# Altium PCB Battery Protector.PcbDoc (part 2 of 3)
Units mm, origin at the board's own origin, x right, y up, seen from the top; angles counter-clockwise.
Board outline 80 x 160 mm, 2 copper layers (L1 - Primary, L2 - Secondary), stack 1.65 mm thick; 434 components, 253 nets, 1087 pads, 125 vias.
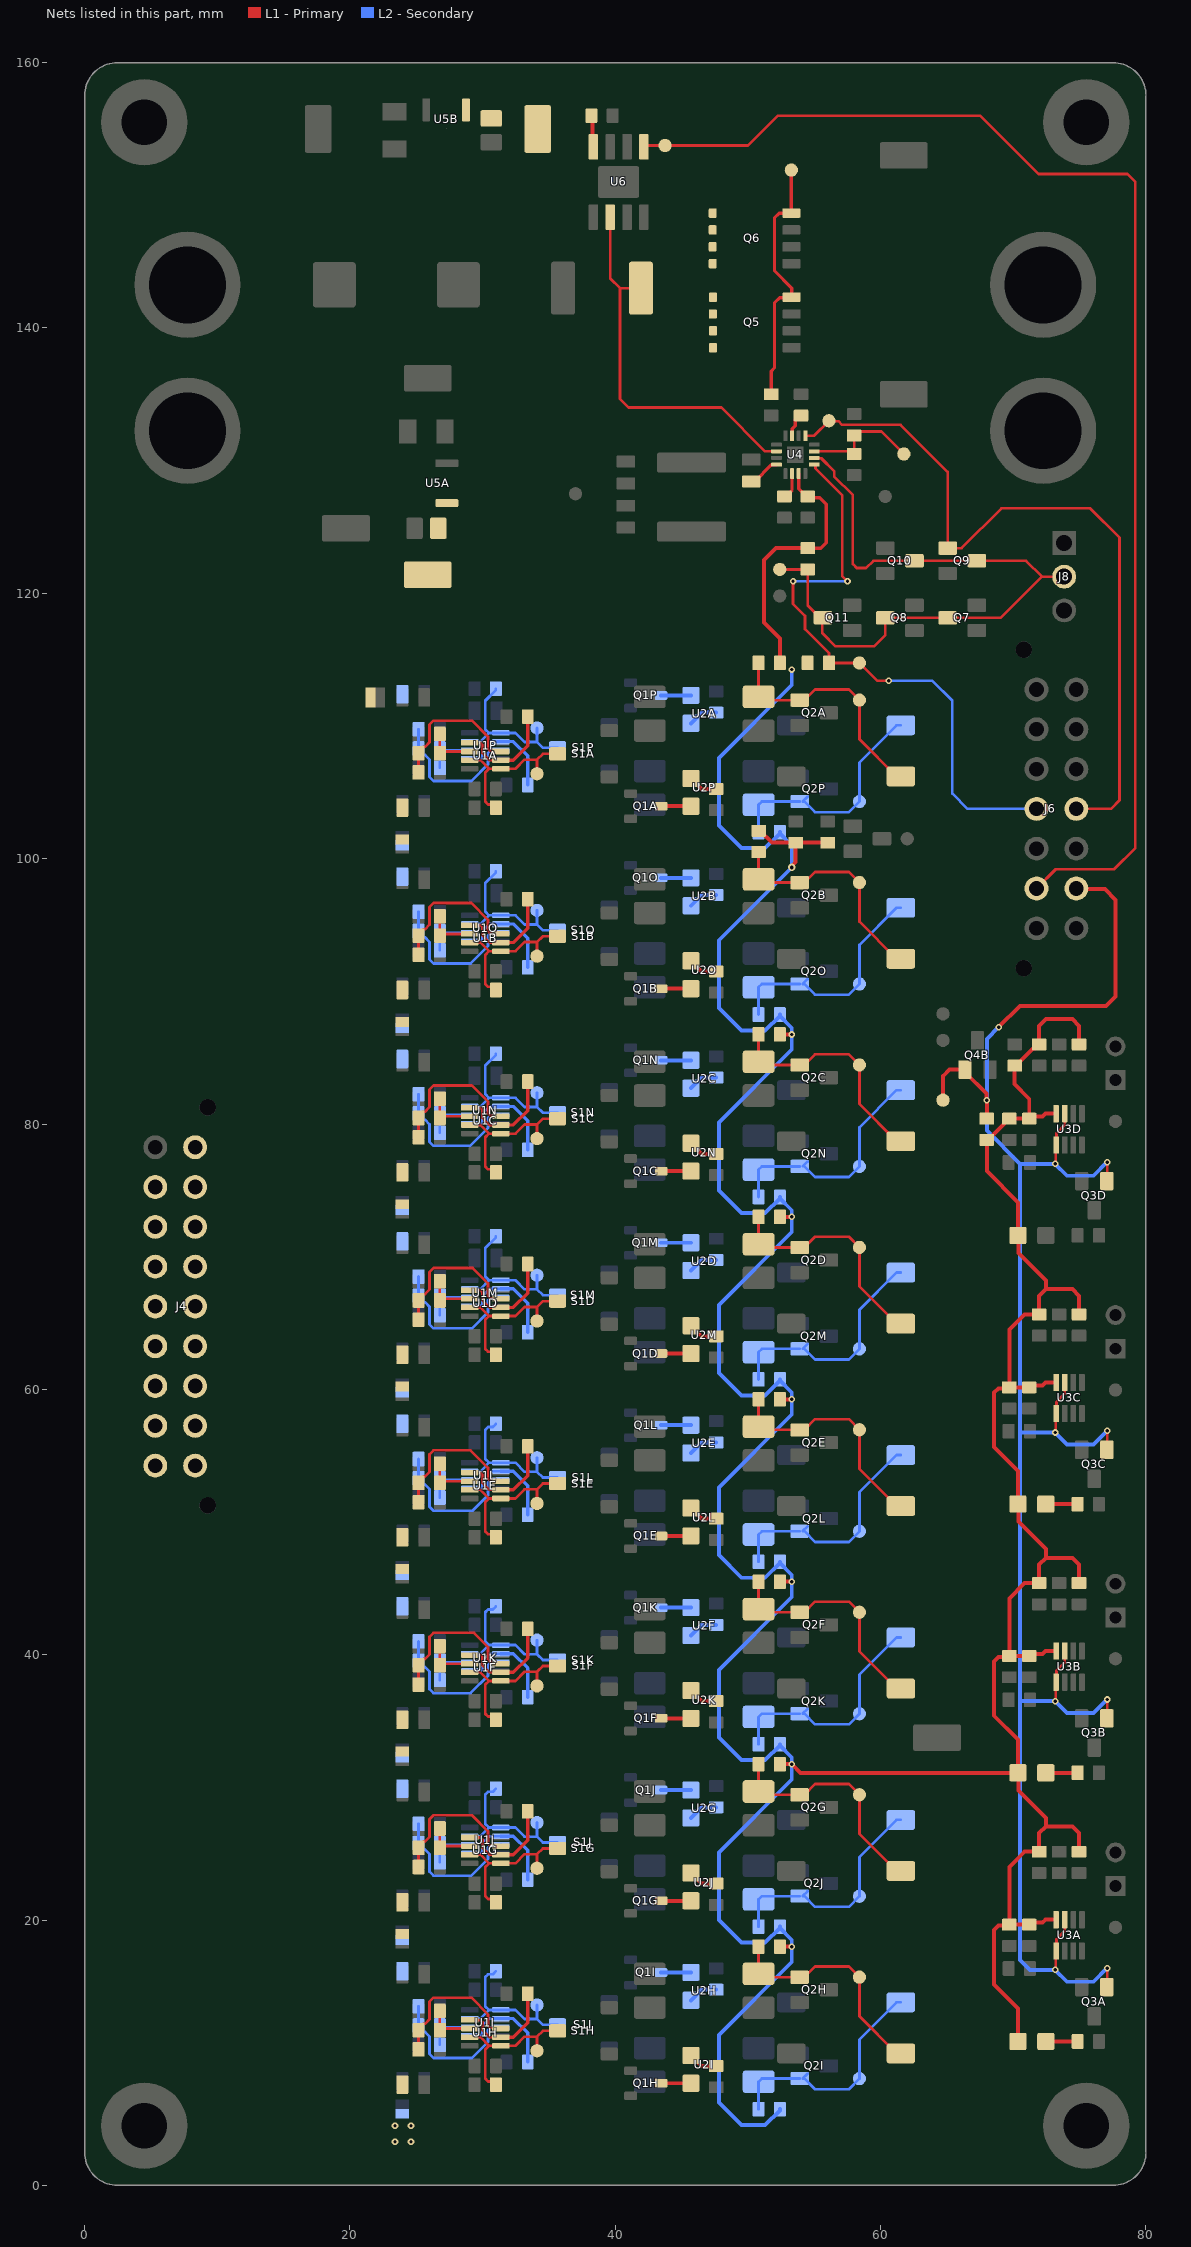
[diagram p2: the nets of this part, all layers, seen from the top]

## Footprints (in the part's own frame and the unit in brackets; to place one, negate y for a bottom-side part, rotate by r counter-clockwise, add the part's x,y. Pads: shape width x height; smd on the part's side, far side on the other; paste and mask are expansions set on the pad) (continued)
SOT89 [mm]
  rrect25% 0.58x1.73 smd mask+0.05: 1(-1.5,-1.635) 3(1.5,-1.635)
  round 0.025 smd mask+0.05: 2(0,-0.235)
  L1 - Primary region: -0.966,-1 -0.38,-1 -0.38,-2.5 0.38,-2.5 0.38,-1 0.966,-1 0.966,2.03 -0.966,2.03
  silkscreen extent -2.35,-1.9 2.25,1.5, body extent -2.25,-2.05 2.25,2.08, height 1.5
TDD01_SPDT [mm]
  rrect25% 1.3x1 smd mask+0.05: 1(-1.95,1.75) 2(-1.95,-1.75) 3(1.95,0)
  silkscreen extent -1.9,-3 1.2,3, body extent -2.1,-3 2.1,3, height 2.3
TESTPOINT_CIRCLE_1MM [mm]
  round 1 smd: 1(0,0)
XT90 [mm]
  round 8 hole 5.8: 1(-5.5,0) 2(5.5,0)
  silkscreen extent -10.7,-5.45 10.7,5.42, body extent -10.7,-5.5 10.7,5.5, height 20.7

## Part data
C1A C1B C1C C1D C1E C1F C1G C1H C1I C1J C1K C1L C1M C1N C1O C1P: "CAP CER 0.01uF 100V X7R 0603", Dielectric=X7R, Manufacturer 1="Murata Electronics", Manufacturer Part Number 1=GCM188R72A103KA37J, Supplier Part Number 1=490-8028-1-ND, Voltage Rating=100V, Supplier 1=Digi-Key
C2A C2B C2C C2D C2E C2F C2G C2H C2I C2J C2K C2L C3A C3B C3C C3D C7: "CAP CER 0.1UF 50V X7R 0603", Dielectric=X7R, Manufacturer 1=Yageo, Manufacturer Part Number 1=CC0603KRX7R9BB104, Package/Footprint=0603, Supplier Part Number 1=311-1344-1-ND, Voltage Rating=50V, Mounting Type=SMD, Supplier 1=Digi-Key
C2M C2N C2O C2P: "CAP CER 0.1UF 100V X7R 0805"
C4A C4B: "CAP CER 1UF 100V X7R 1206", Package=1206, Supplier Part Number 1=490-16468-1-ND, Voltage Rating=100V, Mounting Type=SMD, Supplier 1=Digi-Key
C5A C5B: "CAP CER 10UF 16V X5R 0805", Dielectric=X5R, Manufacturer 1=Yageo, Manufacturer Part Number 1=CC0805KKX5R7BB106, Package/Footprint=0805, Supplier Part Number 1=311-1865-1-ND, Voltage Rating=16V, Mounting Type=SMD, Supplier 1=Digi-Key
C8: "CAP CER 10UF 100V X7S 2220", Manufacturer 1="TDK Corporation", Manufacturer Part Number 1=CGA9N3X7S2A106K230KE, Package=2220, Supplier Part Number 1=445-8768-1-ND, Voltage Rating=100V, Mounting Type=SMD, Supplier 1=Digi-Key
C9: "CAP CER 1UF 25V X5R 0603", Dielectric=X5R, Manufacturer 1=Samsung, Manufacturer Part Number 1=CL10A105KA8NNNC, Package=0603, Supplier Part Number 1=1276-1102-1-ND, Voltage Rating=25V, Mounting Type=SMD, Supplier 1=Digi-Key
C10: "CAP CER 1UF 16V X7R 0805", Dielectric=X7R, Manufacturer 1=Yageo, Manufacturer Part Number 1=CC0805KKX7R7BB105, Package=0805, Supplier Part Number 1=311-1365-1-ND, Voltage Rating=16V, Mounting Type=SMD, Supplier 1=Digi-Key
C11: "CAP CER 0.47UF 25V X7R 0603", Manufacturer 1=KEMET, Manufacturer Part Number 1=C0603C474K3RAC7867, Package=0603, Supplier Part Number 1=399-11934-1-ND, Voltage Rating=25V, Supplier 1=Digi-Key
C12: "CAP CER 0.1UF 16V X7R 0603", Dielectric=X7R, Manufacturer 1=Yageo, Manufacturer Part Number 1=CC0603KRX7R7BB104, Package=0603, Supplier Part Number 1=311-1088-1-ND, Voltage Rating=16V, Supplier 1=Digi-Key
F1: "FUSE BRD 60A 250VAC 100VDC 2SMD", Current Rating=60A, Manufacturer 1="Bourns Inc.", Manufacturer Part Number 1=SF-3812F6000T-2, Package/Footprint=3812, Supplier Part Number 1=118-SF-3812F6000T-2CT-ND, Mounting Type=SMD, Supplier 1=Digi-Key, Verified=No
J1 J2: "HIGH QUALITY GOLD PLATED XT90 MA", Manufacturer 1=DFRobot, Manufacturer Part Number 1=FIT0588, Package/Footprint=XT90, Supplier Part Number 1=1738-1438-ND, Mounting Type=TH, Supplier 1=Digi-Key
J4: library part CON_MOLEX-HDR_9x2_TH, "CONN HEADER VERT 18POS 3MM", Current Rating=5A, Manufacturer 1=Molex, Supplier Part Number 1=WM10723-ND, Voltage Rating=250VAC, Family="Micro-Fit 3.0", Manufacturer Part Number 1=0430451827, Pitch=3mm, Supplier 1=Digi-Key
J5A J5B J5C J5D: "HEADER 2X1", Manufacturer 1="Harwin Inc.", Manufacturer Part Number 1=M20-9990246, Package/Footprint=TH, Supplier Part Number 1=952-2262-ND, Mounting Type=TH, Supplier 1=Digi-Key
J6: library part CON_MOLEX-HDR_7x2_TH, "CONN HEADER VERT 14POS 3MM", Current Rating=5A, Manufacturer 1=Molex, Supplier Part Number 1=WM10707-ND, Voltage Rating=250VAC, Family="Micro-Fit 3.0", Manufacturer Part Number 1=0430451427, Pitch=3mm, Supplier 1=Digi-Key
J8: "CONN HEADER VERT 3POS 2.54MM", Manufacturer 1="Würth Elektronik", Manufacturer Part Number 1=61300311121, Supplier Part Number 1=732-5316-ND, Mounting Type=TH, Pitch=2.54mm, Supplier 1=Digi-Key
LED1A LED1B LED1C LED1D LED1E LED1F LED1G LED1H LED1I LED1J LED1K LED1L LED1M LED1N LED1O LED1P LED2A LED2B LED2C LED2D: "LED GREEN DIFFUSED 0805 SMD", Forward Voltage Drop=2.2V, Manufacturer 1=OSRAM, Manufacturer Part Number 1="LG R971-KN-1", Package/Footprint=0805, Supplier Part Number 1=475-1410-1-ND, Mounting Type=SMD, Supplier 1=Digi-Key
Q1A Q1B Q1C Q1D Q1E Q1F Q1G Q1H Q1I Q1J Q1K Q1L Q1M Q1N Q1O Q1P: "TRANS NPN 40V 0.2A SOT23", Manufacturer 1="Micro Commercial Co", Manufacturer Part Number 1=MMBT3904-TP, Package=SOT-23-3, Supplier Part Number 1=MMBT3904TPMSCT-ND, Supplier 1=Digi-Key
Q2A Q2B Q2C Q2D Q2E Q2F Q2G Q2H Q2I Q2J Q2K Q2L Q2M Q2N Q2O Q2P Q3A Q3B Q3C Q3D Q4A Q4B Q7 Q8 Q9 Q10 Q11: "MOSFET N-CH 60V 380MA SOT23", Manufacturer 1="Diodes Incorporated", Manufacturer Part Number 1=DMN62D0U-13, Package=SOT-23-3, Supplier Part Number 1=DMN62D0U-13DICT-ND, Id=380mA, Mounting Type=SMD, Supplier 1=Digi-Key, Vdss=60V, Vgs (Max)=±12V
Q5 Q6: library part NMOS_CSD19502Q5B_80V_100A, "MOSFET N-CH 80V 100A 8VSON", Manufacturer 1="Texas Instruments", Package/Footprint=8-PowerTDFN, Supplier Part Number 1=296-37194-1-ND, Id=100A, Manufacturer Part Number 1=CSD19502Q5B, Supplier 1=Digi-Key, Vdss (Max)=80V, Vgs (Max)=±20V
R1A R1B R1C R1D R1E R1F R1G R1H R1I R1J R1K R1L R1M R1N R1O R1P: "RES 1.24M OHM 1% 1/16W 0402", Manufacturer 1="Stackpole Electronics Inc", Manufacturer Part Number 1=RMCF0402FT1M24, Package=0603, Supplier Part Number 1=RMCF0402FT1M24CT-ND, Supplier 1=Digi-Key
R2A R2B R2C R2D R2E R2F R2G R2H R2I R2J R2K R2L R2M R2N R2O R2P: "RES 604K OHM 1% 1/10W 0603", Manufacturer 1=Yageo, Manufacturer Part Number 1=RC0603FR-07604KL, Supplier Part Number 1=311-604KHRCT-ND, Supplier 1=Digi-Key
R3A R3B R3C R3D R3E R3F R3G R3H R3I R3J R3K R3L R3M R3N R3O R3P: "RES 845K OHM 1% 1/10W 0603", Manufacturer 1=Yageo, Manufacturer Part Number 1=RC0603FR-07845KL, Supplier Part Number 1=311-845KHRCT-ND, Supplier 1=Digi-Key
R4A R4B R4C R4D R4E R4F R4G R4H R4I R4J R4K R4L R4M R4N R4O R4P: "RES 5.1K OHM 1% 1/10W 0603", Manufacturer 1=YAGEO, Manufacturer Part Number 1=RC0603FR-135K1L, Package=0603, Supplier Part Number 1=13-RC0603FR-135K1LCT-ND, Mounting Type=SMD, Supplier 1=Digi-Key
R5A R5B R5C R5D R5E R5F R5G R5H R5I R5J R5K R5L R5M R5N R5O R5P: "RES 180 OHM 1% 1/10W 0603", Manufacturer 1=Yageo, Manufacturer Part Number 1=RC0603FR-13180RL, Supplier Part Number 1=13-RC0603FR-13180RLCT-ND, Supplier 1=Digi-Key
R6A R6B R6C R6D R6E R6F R6G R6H R6I R6J R6K R6L R6M R6N R6O R6P R9 R11A R11B R11C R11D R12A R12B R12C R12D R15 R24 R27 R28A R28B: "RES 100K OHM 1% 1/10W 0603", Manufacturer 1=Yageo, Manufacturer Part Number 1=RC0603FR-07100KL, Supplier Part Number 1=311-100KHRCT-ND, Supplier 1=Digi-Key
R7A R7B R7C R7D R7E R7F R7G R7H R7I R7J R7K R7L R7M R7N R7O R7P R8A R8B R8C R8D R8E R8F R8G R8H R8I R8J R8K R8L R8M R8N R8O R8P: "RES SMD 0 OHM JUMPER 1/2W 0805 (20A RATED)", Manufacturer 1="Keystone Electronics", Manufacturer Part Number 1=5106, Package/Footprint=0805, Supplier Part Number 1=36-5106CT-ND, Mounting Type=SMD, Supplier 1=Digi-Key
R10A R10B R10C R10D: "RES 200K OHM 1% 1/10W 0603", Manufacturer 1=YAGEO, Manufacturer Part Number 1=RC0603FR-13200KL, Package/Footprint=0603, Supplier Part Number 1=13-RC0603FR-13200KLCT-ND, Mounting Type=SMD, Supplier 1=Digi-Key
R13A R13B R13C R13D: "RES 16.5K OHM 1% 1/10W 0603", Manufacturer 1=Yageo, Manufacturer Part Number 1=RC0603FR-0716K5L, Supplier Part Number 1=311-16.5KHRCT-ND, Supplier 1=Digi-Key
R14A R14B R14C R14D: "RES 453K OHM 1% 1/10W 0603", Manufacturer 1="Panasonic Electronic Components", Manufacturer Part Number 1=ERJ-3EKF4533V, Package=0603, Supplier Part Number 1=P453KHCT-ND, Mounting Type=SMD, Supplier 1=Digi-Key
R16A R16B R16C R16D: "RES 1K OHM 1% 1/8W 0603", Manufacturer 1="Stackpole Electronics Inc", Manufacturer Part Number 1=RNCP0603FTD1K00, Package=0603, Supplier Part Number 1=RNCP0603FTD1K00CT-ND, Mounting Type=SMD, Supplier 1=Digi-Key
R21: "RES 249K OHM 1% 1/8W 0805", LCSC Part #=C25825, Manufacturer 1=Yageo, Manufacturer Part Number 1=RC0805FR-07249KL, Package/Footprint=0805, Supplier Part Number 1=311-249KCRCT-ND, Mounting Type=SMD, Supplier 1=Digi-Key
R22: "RES 0 OHM JUMPER 1/10W 0603", Manufacturer 1=Yageo, Manufacturer Part Number 1=RC0603JR-070RL, Package=0603, Supplier Part Number 1=311-0.0GRCT-ND, Mounting Type=SMD, Supplier 1=Digi-Key
R23: "RES 1 mOHM 1% 3W 2512", Manufacturer 1=Riedon, Manufacturer Part Number 1=CSRL3-0R001F8, Package=2512, Supplier Part Number 1=696-1834-1-ND, Mounting Type=SMD, Supplier 1=Digi-Key
R25: "RES 3.6K OHM 1% 1/10W 0603", Manufacturer 1=Yageo, Manufacturer Part Number 1=RC0603FR-073K6L, Package=0603, Supplier Part Number 1=311-3.60KHRCT-ND, Mounting Type=SMD, Supplier 1=Digi-Key
R26: "RES 10K OHM 1% 1/8W 0603", Manufacturer 1="Stackpole Electronics Inc", Manufacturer Part Number 1=RNCP0603FTD10K0, Package=0603, Supplier Part Number 1=RNCP0603FTD10K0CT-ND, Mounting Type=SMD, Supplier 1=Digi-Key
R29: "RES 10K OHM 5% 1/8W 0805", LCSC Part #=C17414, Manufacturer 1="Panasonic Electronic Components", Manufacturer Part Number 1=ERJ-6GEYJ103V, Package/Footprint=0805, Supplier Part Number 1=P10KACT-ND, Mounting Type=SMD, Supplier 1=Digi-Key
S1A S1B S1C S1D S1E S1F S1G S1H S1I S1J S1K S1L S1M S1N S1O S1P: "SWITCH SLIDE DIP SPDT 25MA 24V", Manufacturer 1=C&K, Manufacturer Part Number 1=TDD01H0SB1R, Supplier Part Number 1=CKN10546CT-ND, Voltage Rating=24VDC, Supplier 1=Digi-Key
S2A S2B S2C S2D S2E S2F S2G S2H S2I S2J S2K S2L S2M S2N S2O S2P: "SWITCH SLIDE DIP SPST 25MA 24V", Manufacturer 1=C&K, Manufacturer Part Number 1=SDA01H0SB, Supplier Part Number 1=CKN10914-ND, Voltage Rating=24VDC, Supplier 1=Digi-Key
TP1 TP2 TP4 TP22A TP22B TP24 TP25 TP26: "TESTPOINT SMD LOOP", Manufacturer 1=Harwin, Manufacturer Part Number 1=S1751-46R, Package/Footprint=SMD, Supplier Part Number 1=952-1478-1-ND, Mounting Type=SMD, Supplier 1=Digi-Key
TP5 TP6 TP7A TP7B TP7C TP7D TP8 TP9 TP10A TP10B TP11A TP11B TP11C TP11D TP11E TP11F TP11G TP11H TP11I TP11J TP11K TP11L TP11M TP11N TP11O TP11P TP12A TP12B TP12C TP12D TP12E TP12F TP12G TP12H TP12I TP12J TP12K TP12L TP12M TP12N TP12O TP12P TP13 TP14 TP15 TP17 TP18 TP19 TP20: "TESTPOINT 1MM CIRCLE"
U1A U1B U1C U1D U1E U1F U1G U1H U1I U1J U1K U1L U1M U1N U1O U1P: "IC COMPARATOR DUAL SOT23-8", Manufacturer 1="Analog Devices Inc./Maxim Integrated", Manufacturer Part Number 1=MAX9018AEKA+T, Package/Footprint=SOT-23-8, Supplier Part Number 1=MAX9018AEKA+TCT-ND, Mounting Type=SMD, Supplier 1=Digi-Key
U2A U2B U2C U2D U2E U2F U2G U2H U2I U2J U2K U2L U2M U2N U2O U2P: "OPTOISOLATOR 5KV TRANS 4SMD", Manufacturer 1="Renesas Electronics America Inc", Manufacturer Part Number 1=PS2501AL-1-F3-A, Supplier Part Number 1=559-1074-1-ND, Supplier 1=Digi-Key
U3A U3B U3C U3D: "IC COMPARATOR DUAL SOT23-8", Manufacturer 1="Analog Devices Inc./Maxim Integrated", Manufacturer Part Number 1=MAX9020EKA+T, Package/Footprint=SOT-23-8, Supplier Part Number 1=MAX9020EKA+TCT-ND, Mounting Type=SMD, Supplier 1=Digi-Key
U4: "HIGH-SIDE SWITCH CONTROLLER", Manufacturer 1="Analog Devices Inc./Maxim Integrated", Package/Footprint=16-WFQFN, Supplier Part Number 1=700-MAX14922ATE+T, Manufacturer Part Number 1=MAX14922ATE+, Supplier 1=Mouser
U5A U5B: "IC REG LINEAR 3.3V 150MA SOT89-3", Current Output=150mA, Manufacturer 1="Diodes Incorporated", Manufacturer Part Number 1=AP7387Q-33Y-13, Supplier Part Number 1=31-AP7387Q-33Y-13CT-ND, Supplier 1=Digi-Key
U6: "IC CURRENT SENSE 1 CIRCUIT 8SOIC", Manufacturer 1="Analog Devices Inc./Maxim Integrated", Package/Footprint=8-SOIC, Supplier Part Number 1=MAX9919FASA+-ND, Manufacturer Part Number 1=MAX9919FASA+, Supplier 1=Digi-Key

## Via types
v1: diameter 0.5, hole 0.25, L1 - Primary to L2 - Secondary, tented both sides, 67 vias
v2: diameter 0.6, hole 0.3, L1 - Primary to L2 - Secondary, tented both sides, 58 vias

## Nets (pads, with @x,y where several pads share a name; then routed paths per layer and width w, separated by ;. In a path a pad name is that pad's centre, name@x,y a point inside that pad or via, vN(x,y) a via of type N, cw(c..) or ccw(c..) an arc to the next point about the centre after c; other vN are vias at no path point)
3V3: C3A.2 C3B.2 C3C.2 C3D.2 C5A.2 C12.2 LED2A.1 LED2B.1 LED2C.1 LED2D.1 R6A.2 R6B.2 R6C.2 R6D.2 R6E.2 R6F.2 R6G.2 R6H.2 R6I.2 R6J.2 R6K.2 R6L.2 R6M.2 R6N.2 R6O.2 R6P.2 R9.2 R10A.2 R10B.2 R10C.2 R10D.2 R11A.2 R11B.2 R11C.2 R11D.2 R12A.2 R12B.2 R12C.2 R12D.2 R15.2 R26.1 R27.2 R28A.2 R28B.2 TP22A.1 U3A.8 U3B.8 U3C.8 U3D.8 U4.3 U5A.1 | length 346.3
  L1 - Primary w0.25: U4.3@53.825,129.025 53.825,127.875 54.5,127.2 55.4,127.2 55.9,126.7 55.9,123.8 55.5,123.4 R26.1@54.5,123.4
  L1 - Primary w0.3: R6B.2@50.8,102.1 50.9,102.1 51.8,101.2 R9.2@53.6,101.2 ; R6H.2@52.4,18 v1(53.3,18) ; R6G.2@52.4,31.75 v1(53.3,31.75) 53.95,31.1 LED2B.1@70.35,31.1 70.35,33.6 68.55,35.4 68.55,39.5 68.876,39.826 69.626,39.826 R11B.2@69.7,39.9 ; R6F.2@52.4,45.5 v1(53.3,45.5) ; R6E.2@52.4,59.25 v1(53.3,59.25) ; R6D.2@52.4,73 v1(53.3,73) ; R6C.2@52.4,86.75 v1(53.3,86.75) ; R6A.2@52.4,114.75 52.4,116.6 51.2,117.8 51.2,122.5 52.1,123.4 R26.1@54.5,123.4 ; v2(53.3,99.35) 53.3,99.431 53.6,99.731 R9.2@53.6,101.2 ; R28A.2@56,101.2 R9.2@53.6,101.2 ; LED2A.1@70.35,10.85 70.35,13.35 68.55,15.15 68.55,19.25 68.876,19.576 69.626,19.576 R11A.2@69.7,19.65 ; LED2D.1@70.35,71.6 70.35,74.1 68,76.45 R15.2@68,78.8 68.1,78.8 69.3,80 69.3,80.1 69.6,80.4 R11D.2@69.7,80.4 C3D.2@71.2,80.4 ; LED2B.1@70.374,31.076 70.374,29.776 72.45,27.7 72.45,27.05 ; LED2D.1@70.374,71.576 70.374,70.276 72.45,68.2 72.45,67.55 ; U3A.8@73.225,20.025 72.42,20.025 72.2,19.805 71.355,19.805 C3A.2@71.2,19.65 R11A.2@69.7,19.65 ; U3B.8@73.225,40.275 72.42,40.275 72.2,40.055 71.355,40.055 C3B.2@71.2,39.9 R11B.2@69.7,39.9 ; U3C.8@73.225,60.525 72.42,60.525 72.2,60.305 71.355,60.305 C3C.2@71.2,60.15 R11C.2@69.7,60.15 ; U3D.8@73.225,80.775 72.42,80.775 72.2,80.555 71.355,80.555 C3D.2@71.2,80.4 ; R10A.2@74.95,25.15 74.95,26.55 74.45,27.05 72.45,27.05 ; R10B.2@74.95,45.4 74.95,46.8 74.45,47.3 72.45,47.3 ; R10C.2@74.95,65.65 74.95,67.05 74.45,67.55 72.45,67.55 ; R10D.2@74.95,86 74.95,87.4 74.45,87.9 72.45,87.9 71.95,87.4 R12D.2@71.95,86 71.65,85.7 71.5,85.7 70.2,84.4 R28B.2@70.1,84.4 70.1,83 71.2,81.9 C3D.2@71.2,80.4 ; R11A.2@69.7,19.65 69.7,24 70.85,25.15 R12A.2@71.95,25.15 71.95,26.55 72.45,27.05 ; R11B.2@69.7,39.9 69.7,44.25 70.85,45.4 R12B.2@71.95,45.4 71.95,46.8 72.45,47.3 ; R11C.2@69.7,60.15 69.626,60.076 68.876,60.076 68.55,59.75 68.55,55.65 70.35,53.85 LED2C.1@70.35,51.35 70.374,51.326 70.374,50.026 72.45,47.95 72.45,47.3 ; R11C.2@69.7,60.15 69.7,64.5 70.85,65.65 R12C.2@71.95,65.65 71.95,67.05 72.45,67.55
  L2 - Secondary w0.3: R6I.2@52.4,5.75 52.4,5.65 51.3,4.55 49.5,4.55 47.8,6.25 47.8,11.35 53.3,16.85 v1(53.3,18) 53.3,18.5 R6J.2@52.4,19.4 ; R6J.2@52.4,19.5 R6J.2@52.4,19.4 ; R6K.2@52.4,33.25 R6K.2@52.4,33.15 ; R6L.2@52.4,47 R6L.2@52.4,46.9 ; R6M.2@52.4,60.75 R6M.2@52.4,60.65 ; R6N.2@52.4,74.5 R6N.2@52.4,74.4 ; R6O.2@52.4,88.25 R6O.2@52.4,88.15 ; R6P.2@52.4,102 R6P.2@52.4,101.9 ; v1(53.3,114.25) 53.3,113.1 47.8,107.6 47.8,102.5 49.5,100.8 51.3,100.8 R6P.2@52.4,101.9 ; R6J.2@52.4,19.4 51.3,18.3 49.5,18.3 47.8,20 47.8,25.1 53.3,30.6 v1(53.3,31.75) 53.3,32.25 R6K.2@52.4,33.15 ; R6K.2@52.4,33.15 51.3,32.05 49.5,32.05 47.8,33.75 47.8,38.85 53.3,44.35 v1(53.3,45.5) 53.3,46 R6L.2@52.4,46.9 ; R6L.2@52.4,46.9 51.3,45.8 49.5,45.8 47.8,47.5 47.8,52.6 53.3,58.1 v1(53.3,59.25) 53.3,59.75 R6M.2@52.4,60.65 ; R6M.2@52.4,60.65 51.3,59.55 49.5,59.55 47.8,61.25 47.8,66.35 53.3,71.85 v1(53.3,73) 53.3,73.5 R6N.2@52.4,74.4 ; R6N.2@52.4,74.4 51.3,73.3 49.5,73.3 47.8,75 47.8,80.1 53.3,85.6 v1(53.3,86.75) 53.3,87.25 R6O.2@52.4,88.15 ; R6O.2@52.4,88.15 51.3,87.05 49.5,87.05 47.8,88.75 47.8,93.85 v2(53.3,99.35) 53.3,101 R6P.2@52.4,101.9
5V0: C5B.2 C7.1 TP22B.1 U5B.1 U6.8 | length 2.4
  L1 - Primary w0.3: C7.1@38.2,156 38.272,155.928 38.272,153.727 U6.8@38.345,153.655
CELL_V0: J4.10 NT1.1
CELL_V1: J4.11 NT2.1 R7A.1
CELL_V2: J4.12 NT3.1 R7B.1
CELL_V3: J4.13 NT4.1 R7C.1
CELL_V4: J4.14 NT5.1 R7D.1
CELL_V5: J4.15 NT6.1 R7E.1
CELL_V6: J4.16 NT7.1 R7F.1
CELL_V7: J4.17 NT8.1 R7G.1
CELL_V8: J4.18 NT9.1 R7H.1
  other v1: 23.4,3.3 24.6,3.3 23.4,4.5 24.6,4.5
CELL_V9: J4.9 NT10.1 R7I.1
CELL_V10: J4.8 NT11.1 R7J.1
CELL_V11: J4.7 NT12.1 R7K.1
CELL_V12: J4.6 NT13.1 R7L.1
CELL_V13: J4.5 NT14.1 R7M.1
CELL_V14: J4.4 NT15.1 R7N.1
CELL_V15: J4.3 NT16.1 R7O.1
CELL_V16: J4.2 R7P.1
COMP: R24.1 R25.2 TP14.1 U4.7 | length 9.1
  L1 - Primary w0.204: U4.7@55,130.7 57.8,130.7 R25.2@58,130.5 R24.1@58,131.9 58.3,132.2 60.05,132.2 TP14.1@61.75,130.5
CS-: Q5.5 Q5.6 Q5.7 Q5.8 Q6.5 Q6.6 Q6.7 Q6.8 R23.2 U4.14 U6.2 | length 29
  L1 - Primary w0.204: U6.2@39.615,148.346 39.615,143.745 40.36,143 ; R23.2@41.895,143 40.36,143 ; U4.14@52.15,130.7 51.3,130.7 48,134 41,134 40.36,134.64 40.36,143
CT_GDA: J6.2 Q3A.1 Q3B.1 Q3C.1 Q3D.1 Q4B.1 R15.1 TP8.1 U3A.1 U3A.7 U3B.1 U3B.7 U3C.1 U3C.7 U3D.1 U3D.7 | length 151.7
  L1 - Primary w0.204: v1(73.15,16.25) 73.187,16.288 73.187,17.638 U3A.1@73.225,17.675 73.25,17.7 73.25,18.55 73.875,19.175 U3A.7@73.875,20.025 ; v1(73.15,36.5) 73.187,36.538 73.187,37.888 U3B.1@73.225,37.925 73.25,37.95 73.25,38.8 73.875,39.425 U3B.7@73.875,40.275 ; v1(73.15,56.75) 73.187,56.788 73.187,58.138 U3C.1@73.225,58.175 73.25,58.2 73.25,59.05 73.875,59.675 U3C.7@73.875,60.525 ; v1(73.15,77) 73.187,77.038 73.187,78.388 U3D.1@73.225,78.425 73.25,78.45 73.25,79.3 73.875,79.925 U3D.7@73.875,80.775 ; Q3A.1@77.05,15 77.075,15.025 v1(77.075,16.375) ; Q3B.1@77.05,35.25 77.075,35.275 v1(77.075,36.625) ; Q3C.1@77.05,55.5 77.075,55.525 v1(77.075,56.875) ; Q3D.1@77.05,75.75 77.075,75.775 v1(77.075,77.125)
  L1 - Primary w0.3: TP8.1@64.7,81.8 64.7,83.6 65.2,84.1 Q4B.1@66.35,84.1 66.35,83.9 67.962,82.288 67.962,81.838 v1(68,81.8) R15.1@68,80.4 ; v1(68.9,87.3) 70.5,88.9 77,88.9 77.7,89.6 77.7,96.9 76.9,97.7 74.8,97.7 J6.2@74.75,97.75
  L2 - Secondary w0.3: v1(68.9,87.3) 68,86.4 v1(68,81.8) 68,79.5 70.5,77 ; v1(77.075,16.375) 76.05,15.35 74.05,15.35 v1(73.15,16.25) 71.25,16.25 70.5,17 70.5,36.5 ; v1(77.075,36.625) 76.05,35.6 74.05,35.6 v1(73.15,36.5) 70.5,36.5 ; v1(77.075,56.875) 76.05,55.85 74.05,55.85 v1(73.15,56.75) 70.5,56.75 ; v1(77.075,77.125) 76.05,76.1 74.05,76.1 v1(73.15,77) 70.5,77 ; 70.5,36.5 70.5,56.75 ; 70.5,56.75 70.5,77
CV_GDA: R4A.1 S1A.3 TP11A.1 U1A.1 U1A.7 | length 12
  L1 - Primary w0.204: U1A.7@29.025,107.425 29.825,107.425 30.475,106.775 ; R4A.1@31,103.85 30.763,104.087 30.413,104.087 30.2,104.3 30.2,106.5 30.475,106.775 ; TP11A.1@34.1,106.4 34.1,107.464 ; S1A.3@35.65,107.9 34.537,107.9 34.1,107.464 ; 30.475,106.775 U1A.1@31.375,106.775 32.475,106.775 33.164,107.464 34.1,107.464
CV_GDB: R4B.1 S1B.3 TP11B.1 U1B.1 U1B.7 | length 12
  L1 - Primary w0.204: U1B.7@29.025,93.675 29.825,93.675 30.475,93.025 ; R4B.1@31,90.1 30.763,90.337 30.413,90.337 30.2,90.55 30.2,92.75 30.475,93.025 ; TP11B.1@34.1,92.65 34.1,93.714 ; S1B.3@35.65,94.15 34.537,94.15 34.1,93.714 ; 30.475,93.025 U1B.1@31.375,93.025 32.475,93.025 33.164,93.714 34.1,93.714
CV_GDC: R4C.1 S1C.3 TP11C.1 U1C.1 U1C.7 | length 12
  L1 - Primary w0.204: U1C.7@29.025,79.925 29.825,79.925 30.475,79.275 ; R4C.1@31,76.35 30.763,76.587 30.413,76.587 30.2,76.8 30.2,79 30.475,79.275 ; TP11C.1@34.1,78.9 34.1,79.964 ; S1C.3@35.65,80.4 34.537,80.4 34.1,79.964 ; 30.475,79.275 U1C.1@31.375,79.275 32.475,79.275 33.164,79.964 34.1,79.964
CV_GDD: R4D.1 S1D.3 TP11D.1 U1D.1 U1D.7 | length 12
  L1 - Primary w0.204: U1D.7@29.025,66.175 29.825,66.175 30.475,65.525 ; R4D.1@31,62.6 30.763,62.837 30.413,62.837 30.2,63.05 30.2,65.25 30.475,65.525 ; TP11D.1@34.1,65.15 34.1,66.214 ; S1D.3@35.65,66.65 34.537,66.65 34.1,66.214 ; 30.475,65.525 U1D.1@31.375,65.525 32.475,65.525 33.164,66.214 34.1,66.214
CV_GDE: R4E.1 S1E.3 TP11E.1 U1E.1 U1E.7 | length 12
  L1 - Primary w0.204: U1E.7@29.025,52.425 29.825,52.425 30.475,51.775 ; R4E.1@31,48.85 30.763,49.087 30.413,49.087 30.2,49.3 30.2,51.5 30.475,51.775 ; TP11E.1@34.1,51.4 34.1,52.464 ; S1E.3@35.65,52.9 34.537,52.9 34.1,52.464 ; 30.475,51.775 U1E.1@31.375,51.775 32.475,51.775 33.164,52.464 34.1,52.464